# Altium PCB board_layout.pcbdoc (part 1 of 3)
Units mil, origin at the board's own origin, x right, y up, seen from the top; angles counter-clockwise.
Board outline 3627.19 x 3509.21 mil, 2 copper layers (Top Layer, Bottom Layer), stack 61.811 mil thick; 199 components, 120 nets, 649 pads, 293 vias.
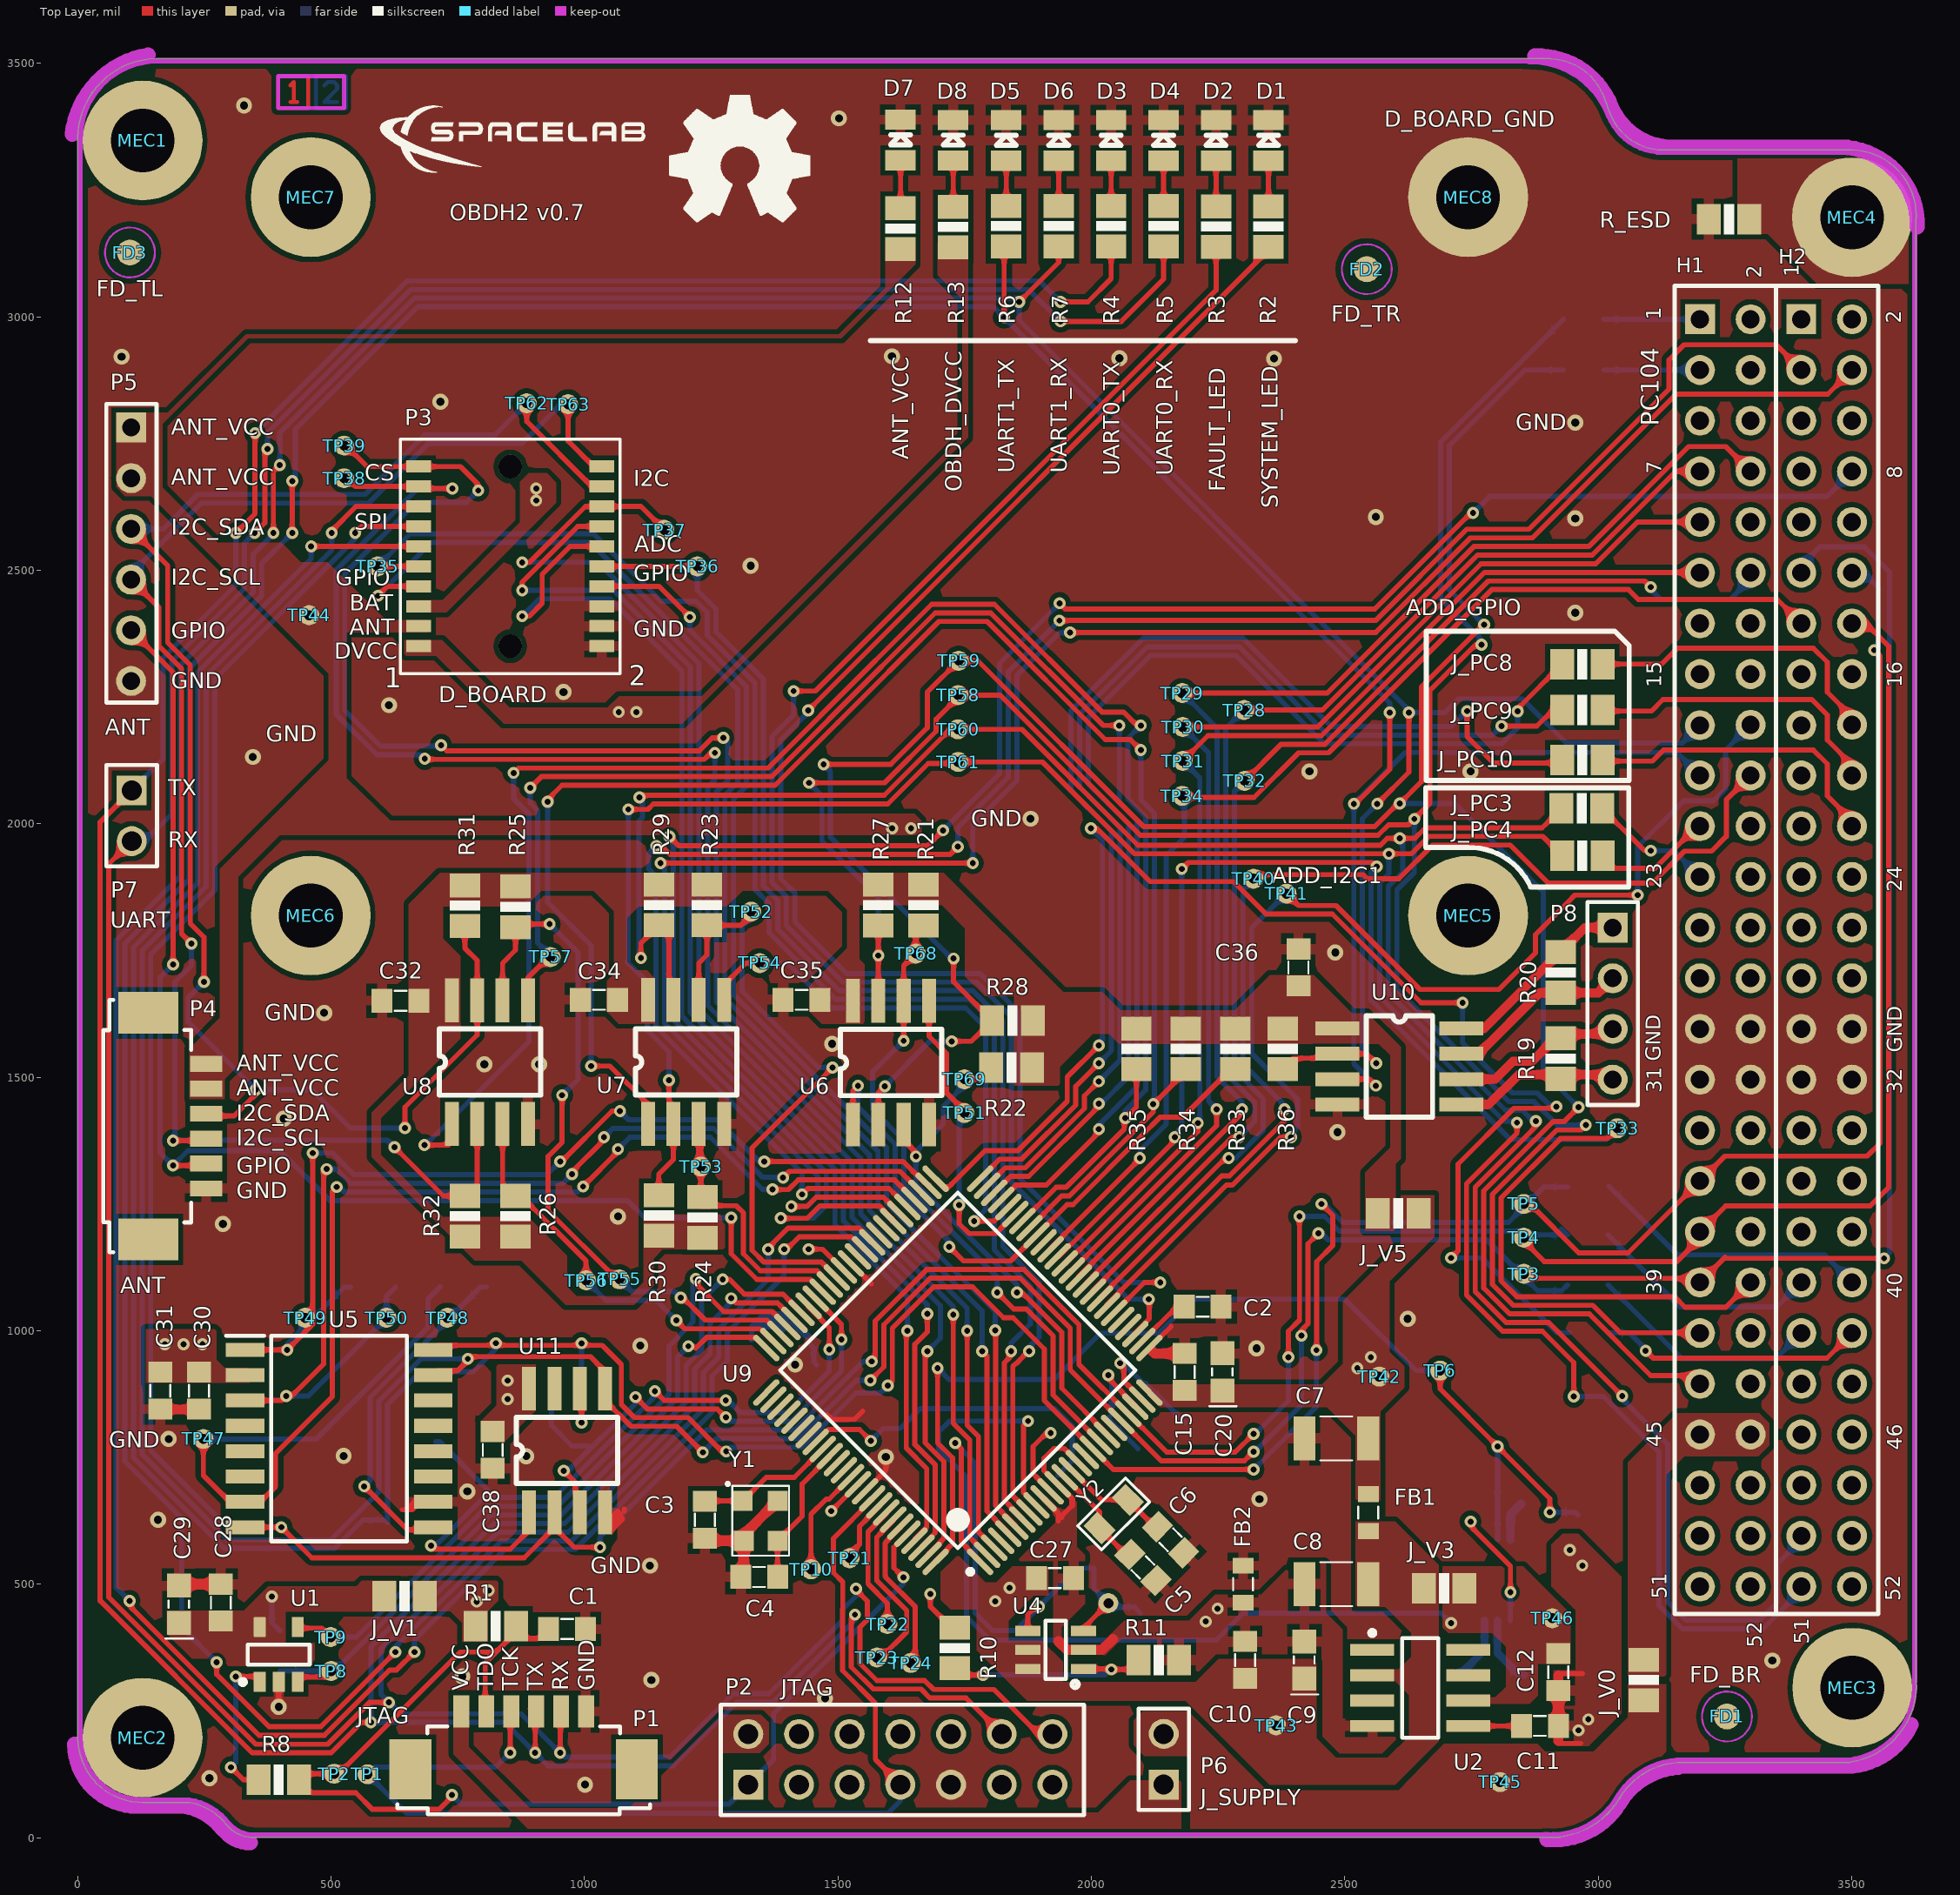
[diagram p0: Top Layer view]
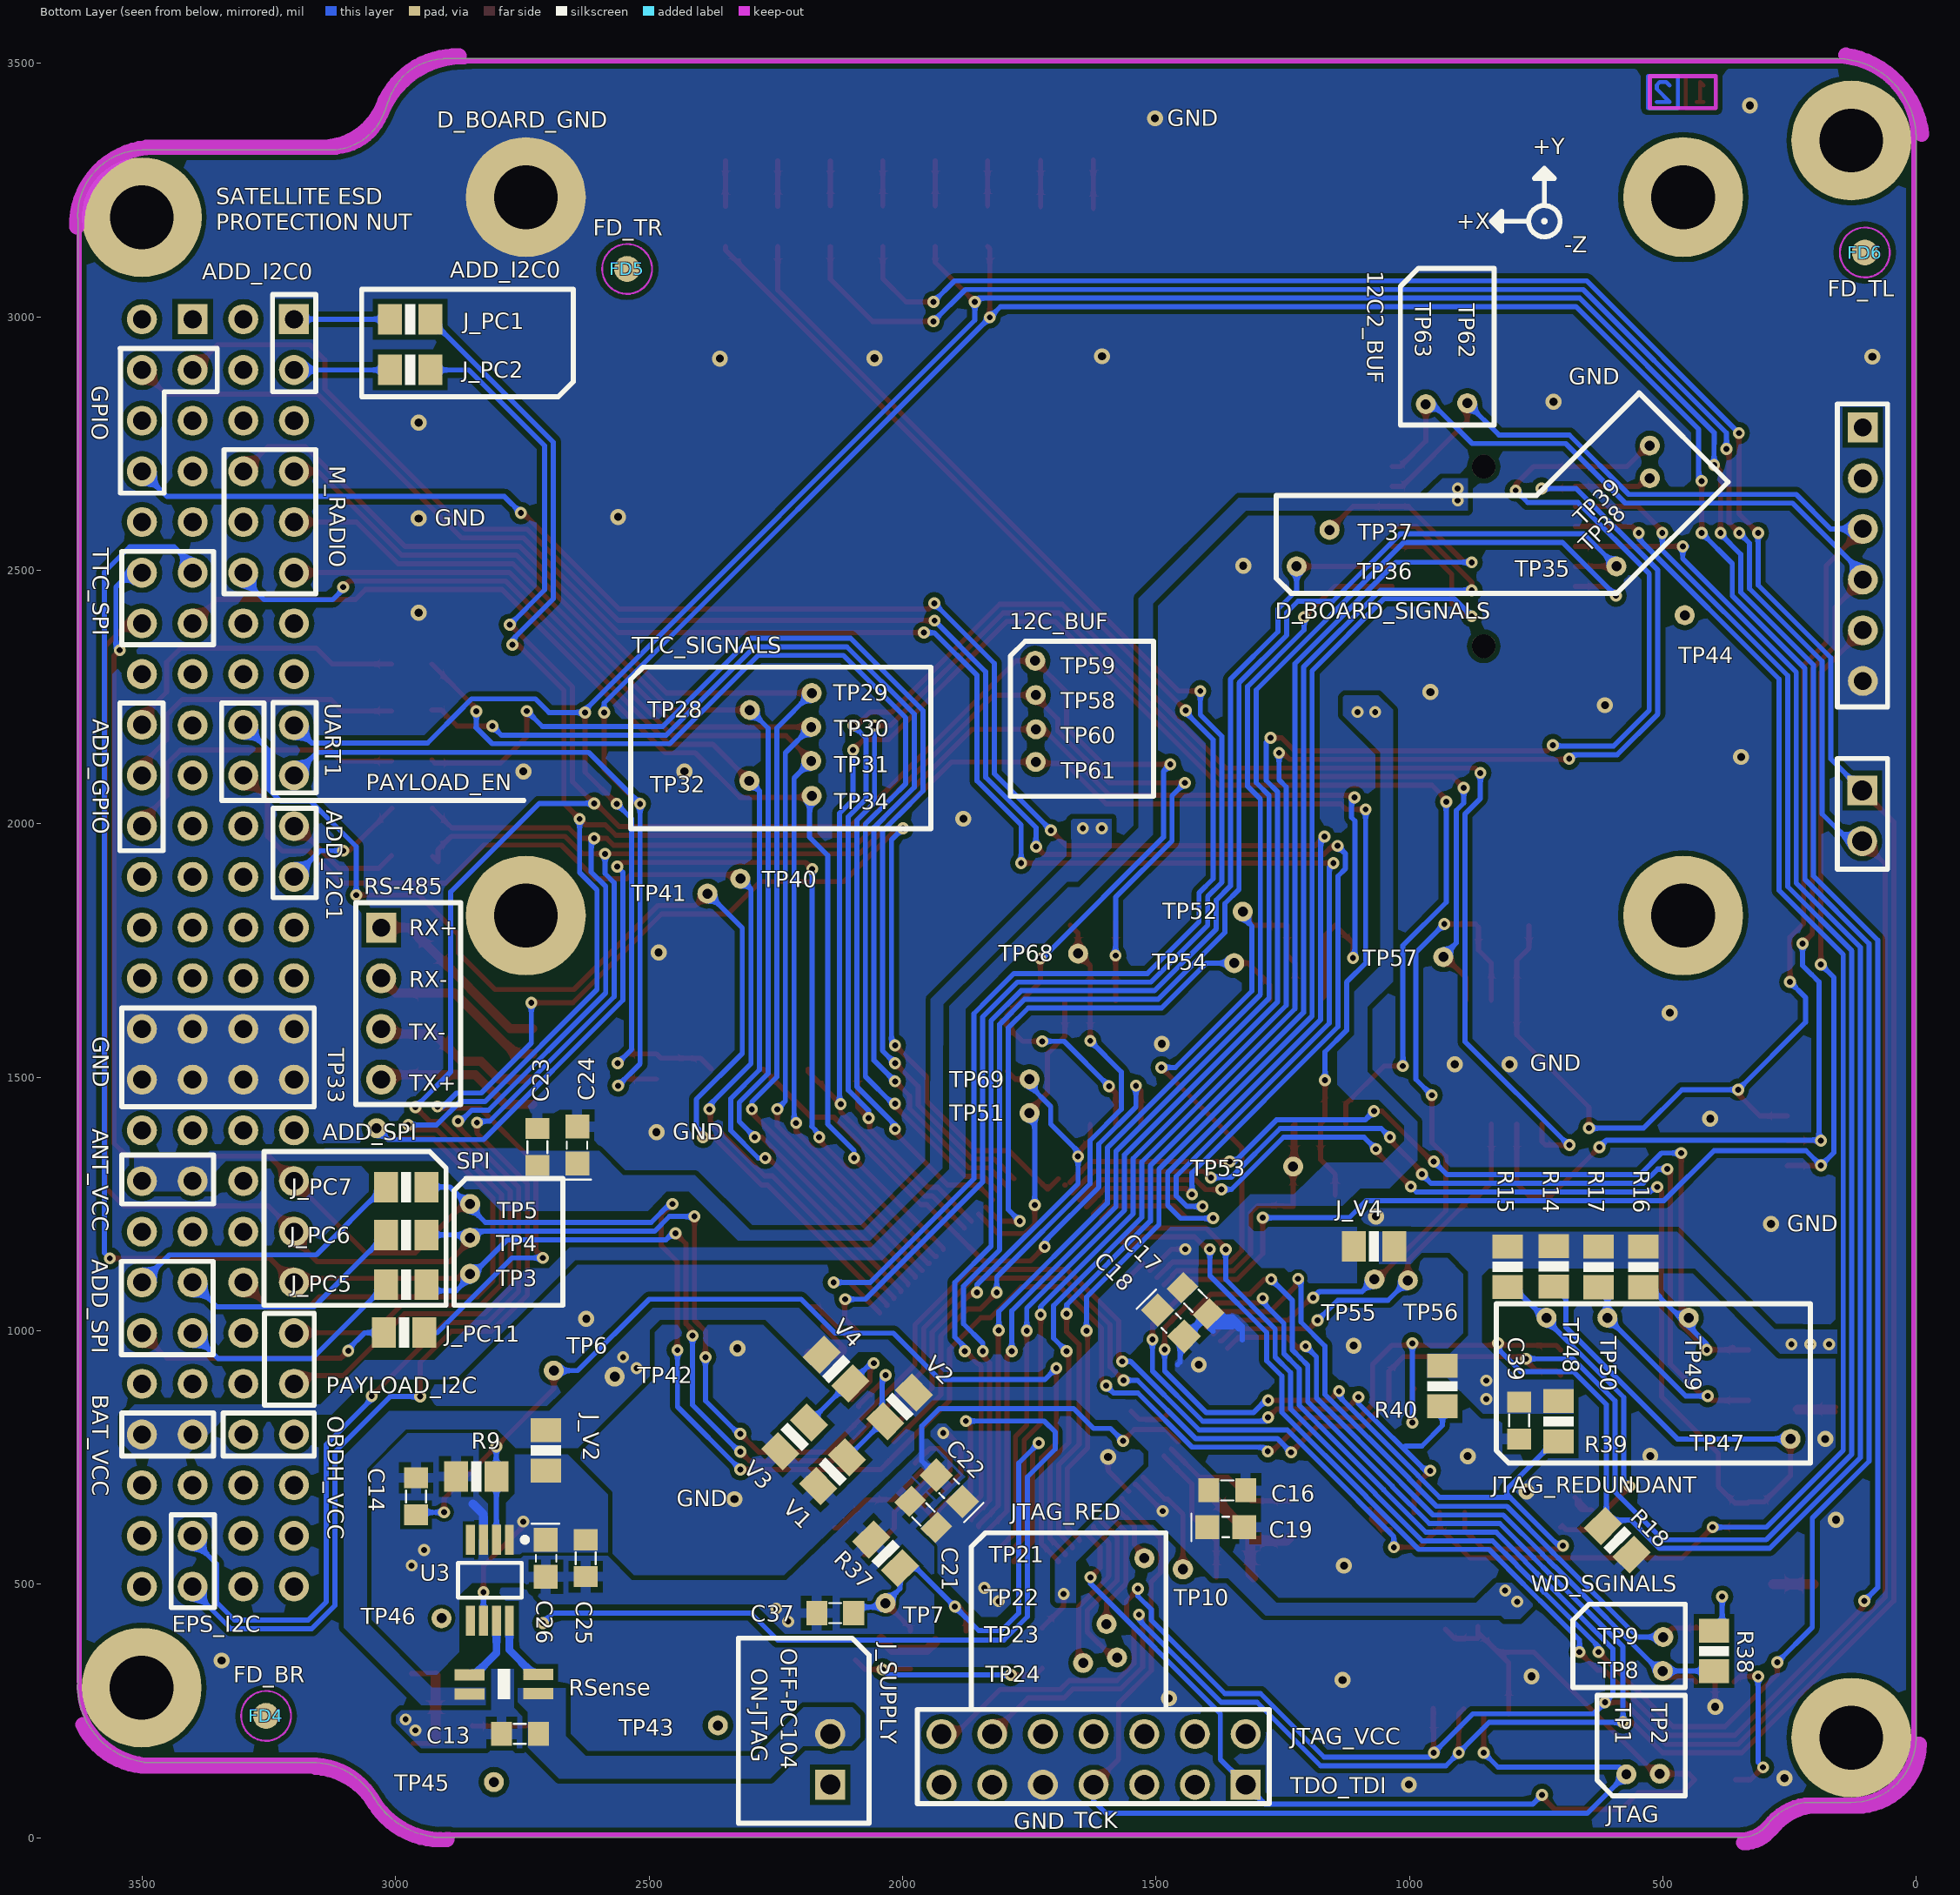
[diagram p1: Bottom Layer view, seen from below]
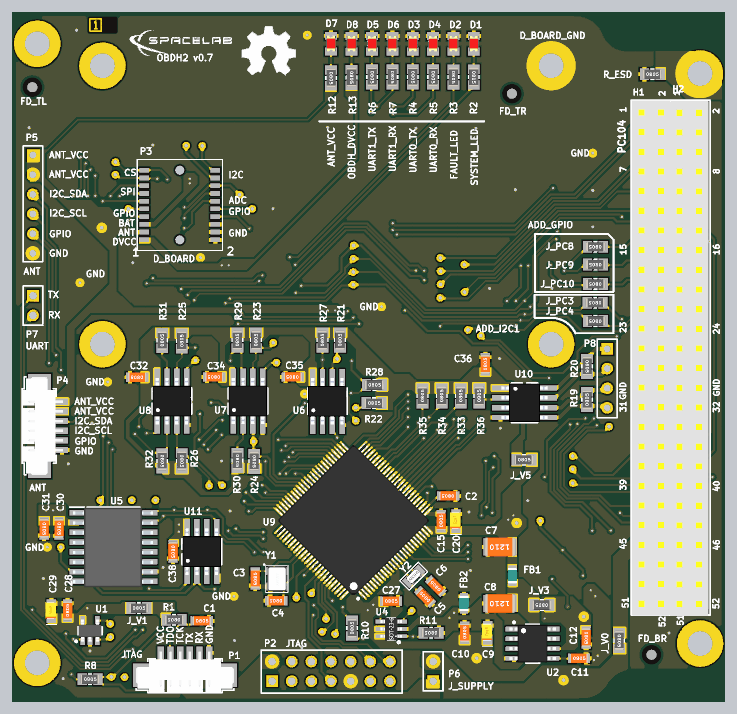
[diagram p4: 3D render of the assembled board from above, using the file's embedded part models]
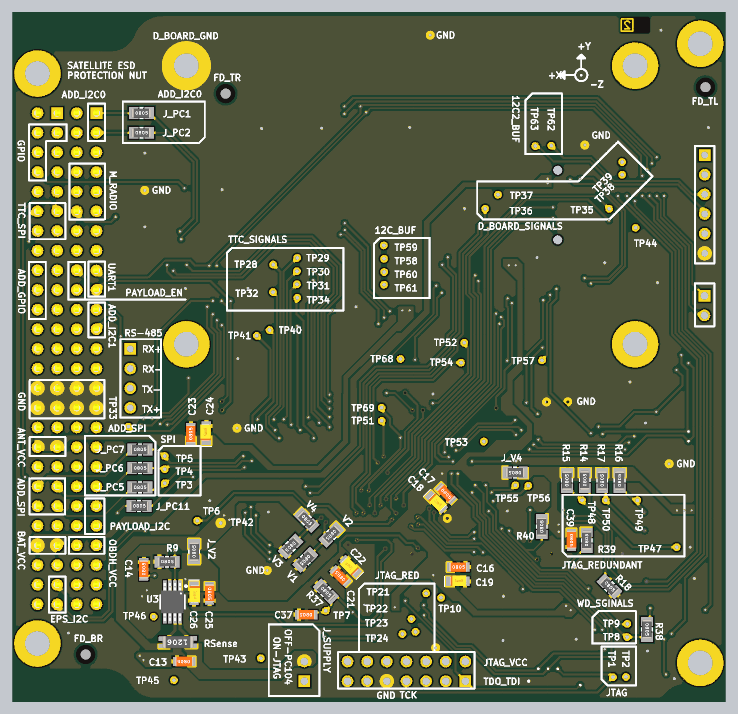
[diagram p5: 3D render of the assembled board from below, using the file's embedded part models]

## Layer stack, top to bottom
Top Solder: solder mask 0.3937, Solder Resist, Dk 3.5
Top Layer: signal copper 1.378
Dielectric Core: core 59.0551, FR-4, Dk 4.8
Bottom Layer: signal copper 1.378
Bottom Solder: solder mask 0.3937, Solder Resist, Dk 3.5

## Board outline
220.22,69.32 cw(c201.2,-45.33) 293.69,25.03 ccw(c297.68,28.07) 293.9,24.78 ccw(c347.8,71.74) 348.61,0.25 ccw(c347.8,71.74) 348.64,0.25 348.58,0.25 2921.46,0.25 ccw(c2921.46,5.27) 2925.06,1.78 ccw(c2906.68,158.25) 3042.12,77.78 ccw(c3037.81,80.34) 3042.13,77.78 cw(c3166.01,4.51) 3155.5,148.06 3494.45,148.06 ccw(c3494.45,153.07) 3497.28,148.93 ccw(c3474.96,299.36) 3627.04,299.36 ccw(c3474.96,299.36) 3626.35,313.78 3626.35,3193.75 ccw(c3622.2,3196.58) 3627.22,3196.46 ccw(c3497.3,3199.43) 3627.25,3199.43 ccw(c3497.3,3199.43) 3500.27,3329.34 ccw(c3500.16,3324.33) 3500.16,3329.35 3127.81,3329.35 ccw(c3127.81,3324.33) 3127.57,3329.34 ccw(c3127.31,3324.33) 3127.33,3329.35 cw(c3127.81,3440.66) 3024.4,3399.45 ccw(c3019.75,3397.59) 3023.58,3400.82 3012.66,3429.17 ccw(c3007.98,3427.37) 3012.36,3429.81 ccw(c3007.34,3429.81) 3012.36,3429.81 ccw(c3007.34,3429.81) 3012.06,3431.52 ccw(c2901.41,3391.49) 2907.45,3509 ccw(c2905.35,3504.45) 2905.35,3509.46 155.67,3509.46 ccw(c155.67,3504.45) 155.05,3509.43 ccw(c154.75,3504.42) 154.65,3509.43 ccw(c157.78,3351.88) 0.2,3353.04 ccw(c5.08,3351.88) 0.06,3351.88 0.06,196.38 ccw(c5.08,196.38) 0.06,196.34 ccw(c128.11,197.36) 129.11,69.32 ccw(c128.11,197.36) 129.13,69.32 129.09,69.32

## Design rules (kind name [scope] priority, off if disabled: settings)
Clearance Clearance_6 [InNet('GND')] p1: gap=10 ignorepadtopadclearanceinfootprint=FALSE except(0: Arc-Hole Track-Hole SMDPad-Hole THPad-Hole Via-Hole Fill-Hole Poly-Hole Region-Hole Text-Hole; 7: Arc-Arc Arc-Track Arc-SMDPad Track-Track Track-SMDPad SMDPad-SMDPad; 15: Arc-Text Track-Text SMDPad-Text THPad-Text Via-Text; 20: Fill-Text Poly-Text Region-Text Text-Text)
Clearance Clearance_1 [InNet('ESD') And OnLayer('Multi-Layer') vs OnLayer('Keep-Out Layer')] p2: gap=10 ignorepadtopadclearanceinfootprint=FALSE except(0: Arc-SMDPad Arc-THPad Arc-Via Arc-Hole Track-SMDPad Track-THPad Track-Via Track-Hole SMDPad-Hole THPad-Hole Via-Hole Fill-Hole Poly-Hole Region-Hole Text-Hole; 7: Arc-Arc Arc-Track Track-Track SMDPad-SMDPad; 15: Arc-Text Track-Text SMDPad-Text THPad-Text Via-Text; 20: Fill-Text Poly-Text Region-Text Text-Text)
Clearance Clearance_2 [OnLayer('Multi-Layer') vs OnLayer('Keep-Out Layer')] p3: gap=10 ignorepadtopadclearanceinfootprint=FALSE except(0: Arc-SMDPad Arc-THPad Arc-Via Arc-Hole Track-SMDPad Track-THPad Track-Via Track-Hole SMDPad-Hole THPad-Hole Via-Hole Fill-Hole Poly-Hole Region-Hole Text-Hole; 7: Arc-Arc Arc-Track Track-Track SMDPad-SMDPad; 15: Arc-Text Track-Text SMDPad-Text THPad-Text Via-Text; 20: Fill-Text Poly-Text Region-Text Text-Text)
Clearance [All] p4: gap=7 ignorepadtopadclearanceinfootprint=FALSE except(0: Arc-Hole Track-Hole SMDPad-Hole THPad-Hole Via-Hole Fill-Hole Poly-Hole Region-Hole Text-Hole; 6.97: Arc-SMDPad Arc-Via Track-SMDPad Track-Via)
DiffPairsRouting DiffPairsRouting_1 [InDifferentialPair('XT2')] p1: maxlimit=10 minlimit=10 mostfreqgap=10 toplayer_minwidth=10 toplayer_maxwidth=10 toplayer_prefwidth=10 bottomlayer_minwidth=10 bottomlayer_maxwidth=10 bottomlayer_prefwidth=10 maxuncoupledlength=500
DiffPairsRouting [All] p2: maxlimit=6 minlimit=6 mostfreqgap=6 toplayer_minwidth=18 toplayer_maxwidth=18 toplayer_prefwidth=18 bottomlayer_minwidth=18 bottomlayer_maxwidth=18 bottomlayer_prefwidth=18 maxuncoupledlength=500
HoleSize [All] p1: absolutevalues=TRUE maxlimit=200 minlimit=1 maxpercent=80.000 minpercent=20.000
MinimumSolderMaskSliver [All] p1: minsoldermaskwidth=0
PlaneConnect [InNetClass('power')] p1: planeconnectstyle=Direct reliefexpansion=20 reliefentries=4 reliefconductorwidth=10 reliefairgap=10
PlaneConnect PlaneConnect_1 [All] p2: planeconnectstyle=Relief reliefexpansion=20 reliefentries=4 reliefconductorwidth=10 reliefairgap=10
PolygonConnect PolygonConnect_3 [InNet('GND') vs InNet('GND')] p1: thpad.connectstyle=Direct thpad.reliefconductorwidth=20 thpad.reliefentries=4 thpad.polygonreliefangle="90 Angle" thpad.airgapwidth=10 smdpad.connectstyle=Relief smdpad.reliefconductorwidth=20 smdpad.reliefentries=4 smdpad.polygonreliefangle="90 Angle" smdpad.airgapwidth=10 via.connectstyle=Direct via.reliefconductorwidth=20 via.reliefentries=4 via.polygonreliefangle="90 Angle" via.airgapwidth=10
PolygonConnect PolygonConnect_2 [InNet('AGND') vs InNet('AGND')] p2: thpad.connectstyle=Direct thpad.reliefconductorwidth=10 thpad.reliefentries=4 thpad.polygonreliefangle="90 Angle" thpad.airgapwidth=10 smdpad.connectstyle=Relief smdpad.reliefconductorwidth=20 smdpad.reliefentries=4 smdpad.polygonreliefangle="90 Angle" smdpad.airgapwidth=10 via.connectstyle=Direct via.reliefconductorwidth=10 via.reliefentries=4 via.polygonreliefangle="90 Angle" via.airgapwidth=10
PolygonConnect [InNetClass('power')] p3: connectstyle=Direct reliefconductorwidth=10 reliefentries=4 polygonreliefangle="90 Angle" airgapwidth=10
PolygonConnect PolygonConnect_1 [All] p4: connectstyle=Direct reliefconductorwidth=10 reliefentries=4 polygonreliefangle="90 Angle" airgapwidth=10
RoutingVias [All] p1: holewidth=11.81 width=23.62 viastyle="Through Hole" minholewidth=11.81 minwidth=23.62 maxholewidth=35.43 maxwidth=59.06
SilkToSilkClearance [All] p1: silktosilkclearance=5
SilkToSolderMaskClearance [IsPad] p1: minsilkscreentomaskgap=0 clearancetoexposedcopper=TRUE
SolderMaskExpansion [All] p1: expansion=7
Width Width_Power [InNetClass('Power')] p1: maxlimit=30 minlimit=20 preferedwidth=20
Width [All] p2: maxlimit=70 minlimit=5 preferedwidth=10
24 further rules are at their usual default settings.

## Classes and differential pairs
component class 0_architecture: FD1 FD2 FD3 FD4 FD5 FD6 M1 M2 M3 M4 M5 M6 M7 M8 MEC1 MEC2 MEC3 MEC4 MEC5 MEC6 MEC7 MEC8
component class "Communication Buffers": C32 C34 C35 C36 J_V5 R19 R20 R21 R22 R23 R24 R25 R26 R27 R28 R29 R30 R31 R32 R33 R34 R35 R36 TP51 TP52 TP53 TP54 TP55 TP56 TP57 TP58 TP59 TP60 TP61 TP62 TP63 TP68 TP69 U6 U7 U8 U10
component class Analog_Circuits: C7 C8 C9 C10 C11 C12 C13 C14 C15 C16 C17 C18 C19 C20 C21 C22 C23 C24 C25 C26 C27 C28 C29 C37 D7 D8 FB1 FB2 J_V1 J_V2 J_V3 R8 R9 R10 R11 R12 R13 R37 R38 RSense TP42 TP43 TP44 TP45 TP46 U1 U2 U3 U4
component class Interface: J_PC1 J_PC2 J_PC3 J_PC4 J_PC5 J_PC6 J_PC7 J_PC8 J_PC9 J_PC10 J_PC11 J_V0 P1 P2 P3 P4 P5 P6 P7 P8 PC104 R_ESD
component class MCU_OBDH: C1 C2 C3 C4 C5 C6 D1 D2 D3 D4 D5 D6 R1 R2 R3 R4 R5 R6 R7 TP1 TP2 TP3 TP4 TP5 TP6 TP7 TP8 TP9 TP10 TP21 TP22 TP23 TP24 TP28 TP29 TP30 TP31 TP32 TP33 TP34 TP35 TP36 TP37 TP38 TP39 TP40 TP41 U9 V1 V2 V3 V4 Y1 Y2
component class "Non Volatile Memory": C30 C31 C38 C39 J_V4 R14 R15 R16 R17 R18 R39 R40 TP47 TP48 TP49 TP50 U5 U11
differential pair RS485_TX: +RS485_TX_P -RS485_TX_N
differential pair RS485_RX: +RS485_RX_P -RS485_RX_N
differential pair VSENSE2: +VSENSE2_P -VSENSE2_N
differential pair XT2: +XT2_P -XT2_N

## Components (designator, comment, footprint, x,y, rotation, side; value= is the part's Value field where it differs from the comment)
C1 "1nF/16V" CC0805 965.55,411.42 r0 top
C2 "0.47uF/50V" CC0805 2219.49,1047.24 r180 top
C3 "10pF/100V" CC0805 1237.2,626.97 r270 top
C4 "10pF/100V" CC0805 1344.38,514.2 r180 top
C5 "12pF/50V" CC0805 2101.7,532.99 r135 top
C6 "12pF/50V" CC0805 2156.21,587.6 r135 top
C7 "22uF/16V" CC1210 2483.27,787.4 r180 top
C8 "22uF/16V" CC1210 2483.27,500 r180 top
C9 "10uF/10V" CC0805_Tantalum 2420.28,350.39 r90 top
C10 "0.1uF/25V" CC0805 2303.15,350.39 r90 top
C11 "0.01uF/25V" CC0805 2884.84,220.47 r0 top
C12 "0.1uF/25V" CC0805 2921.26,326.54 r270 top
C13 "0.1uF/25V" CC0805 2754.92,204.72 r0 bottom
C14 "0.1uF/25V" CC0805 2959.65,673.23 r90 bottom
C15 "0.1uF/25V" CC0805 2184.06,918.54 r90 top
C16 "0.1uF/25V" CC0805 1359.25,685.04 r180 bottom
C17 "0.1uF/25V" CC0805 1422,1059.26 r225 bottom
C18 "10uF/10V" CC0805_Tantalum 1470.5,1014.76 r225 bottom
C19 "10uF/10V" CC0805_Tantalum 1362.2,612.2 r180 bottom
C20 "10uF/10V" CC0805_Tantalum 2258.86,918.9 r90 top
C21 "0.1uF/25V" CC0805 1958.89,637.8 r45 bottom
C22 "10uF/10V" CC0805_Tantalum 1907.71,688.98 r45 bottom
C23 "0.1uF/25V" CC0805 2720.47,1362.2 r90 bottom
C24 "10uF/10V" CC0805_Tantalum 2641.73,1366.14 r90 bottom
C25 "0.1uF/25V" CC0805 2625,551.18 r270 bottom
C26 "10uF/10V" CC0805_Tantalum 2703.74,551.18 r270 bottom
C27 "0.1uF/25V" CC0805 1928.15,511.81 r0 top
C28 "0.1uF/25V" CC0805 282.48,463.58 r90 top
C29 "10uF/10V" CC0805_Tantalum 199.8,460.63 r90 top
C30 "100nF/50V" CC0805 239.17,881.77 r270 top
C31 "4.7uF/25V" CC0805 163.03,881.77 r270 top
C32 "0.01uF/25V" CC0805 636.81,1650.98 r180 top
C34 "0.01uF/25V" CC0805 1028.42,1652.76 r180 top
C35 "0.01uF/25V" CC0805 1428.18,1652.76 r180 top
C36 "0.1uF/25V" CC0805 2408.46,1716.54 r90 top
C37 "0.1uF/25V" CC0805 2132.87,442.91 r0 bottom
C38 "100nF/50V" CC0805 818.9,764.79 r270 top
C39 "4.7uF/25V" CC0805 783.46,822.94 r270 bottom
D1 "Orange" 0805-LED 2349.41,3348.43 r90 top
D2 "Orange" 0805-LED 2245.92,3348.43 r90 top
D3 "Orange" 0805-LED 2038.95,3348.43 r90 top
D4 "Orange" 0805-LED 2142.43,3348.43 r90 top
D5 "Orange" 0805-LED 1831.97,3348.43 r90 top
D6 "Orange" 0805-LED 1935.46,3348.43 r90 top
D7 "DNP" 0805-LED 1623.43,3349.41 r90 top
D8 "DNP" 0805-LED 1727.36,3348.65 r90 top
FB1 "30R@100Mhz, 4A" IND0805 2546.26,641.39 r270 top
FB2 "30R@100Mhz, 4A" IND0805 2299.21,500 r270 top
FD1 "Fiducial 1.3" "Fiducial 1.3mm" 3253.94,238.9 r0 top
FD2 "Fiducial 1.3" "Fiducial 1.3mm" 2543.31,3094.04 r0 top
FD3 "Fiducial 1.3" "Fiducial 1.3mm" 103.05,3126.97 r0 top
FD4 "Fiducial 1.3" "Fiducial 1.3mm" 3255.7,240.16 r180 bottom
FD5 "Fiducial 1.3" "Fiducial 1.3mm" 2543.31,3094.49 r180 bottom
FD6 "Fiducial 1.3" "Fiducial 1.3mm" 101.38,3126.97 r180 bottom
J_PC1 "0R" 0805 2971.46,2995.28 r180 bottom
J_PC2 "0R" 0805 2971.46,2895.28 r180 bottom
J_PC3 "0R" 0805 2967.52,2030.71 r180 top
J_PC4 "0R" 0805 2968.5,1937.01 r180 top
J_PC5 "0R" 0805 2979.33,1090.55 r180 bottom
J_PC6 "0R" 0805 2979.33,1188.98 r180 bottom
J_PC7 "0R" 0805 2979.33,1283.46 r180 bottom
J_PC8 "0R" 0805 2968.5,2314.96 r180 top
J_PC9 "0R" 0805 2968.5,2224.41 r180 top
J_PC10 "0R" 0805 2968.5,2125.98 r180 top
J_PC11 "0R" 0805 2983.27,996.06 r180 bottom
J_V0 "0R" 0805 3089.57,311.02 r270 top
J_V1 "0R" 0805 644.68,476.38 r0 top
J_V2 "0R" 0805 2703.74,763.78 r90 bottom
J_V3 "0R" 0805 2695.87,492.13 r180 top
J_V4 "0R" 0805 1069.88,1165.98 r0 bottom
J_V5 "0R" 0805 2605.29,1231.3 r0 top
MEC1 "M3" "M3 hole" 128.11,3347.95 r0 top
MEC2 "M3" "M3 hole" 128.11,197.36 r0 top
MEC3 "M3" "M3 hole" 3501.14,295.79 r0 top
MEC4 "M3" "M3 hole" 3500.78,3196.53 r0 top
MEC5 "M3" "M3 hole" 2743.11,1818.9 r0 top
MEC6 "M3" "M3 hole" 459.65,1818.9 r0 top
MEC7 "M3" "M3 hole" 459.65,3236.22 r0 top
MEC8 "M3" "M3 hole" 2743.11,3236.22 r0 top
P1 "0532610671" "PICOBLADE 6PIN Right Angle" 879.92,191.93 r0 top
P2 "M20-9980745" "CONN HEADER VERT 14POS 2.54MM" 1623.03,154.33 r0 top
P3 "FSI-110-03-X-D-AD" FSI-110-03-X-D-AD 853.35,2527.56 r90 top
P4 "0532610671" "PICOBLADE 6PIN Right Angle" 196.5,1403.54 r270 top
P5 "M20-9990645" HDR1X6H 105.31,2781.69 r270 top
P6 "826646-2" "HDR 1X2" 2142.72,154.66 r90 top
P7 "826646-2" "HDR 1X2" 106.56,2015.75 r270 top
P8 "M20-9990445" HDR1X4 3028.54,1795.28 r270 top
PC104 "SSW-126-04-G-D" PC104 3503.74,495.28 r90 top locked
R1 "47k" 0805 824.8,417.32 r180 top
R2 "1k" 0805 2349.41,3178.21 r270 top
R3 "1k" 0805 2245.92,3178.21 r270 top
R4 "1k" 0805 2038.95,3179.04 r270 top
R5 "1k" 0805 2142.43,3179.04 r270 top
R6 "1k" 0805 1831.97,3179.04 r270 top
R7 "1k" 0805 1935.46,3179.04 r270 top
R8 "10k" 0805 396.65,114.17 r0 top
R9 "12K" 0805 2840.8,712.6 r180 bottom